# Altium PCB drac_v3.PcbDoc (part 1 of 5) (continued)
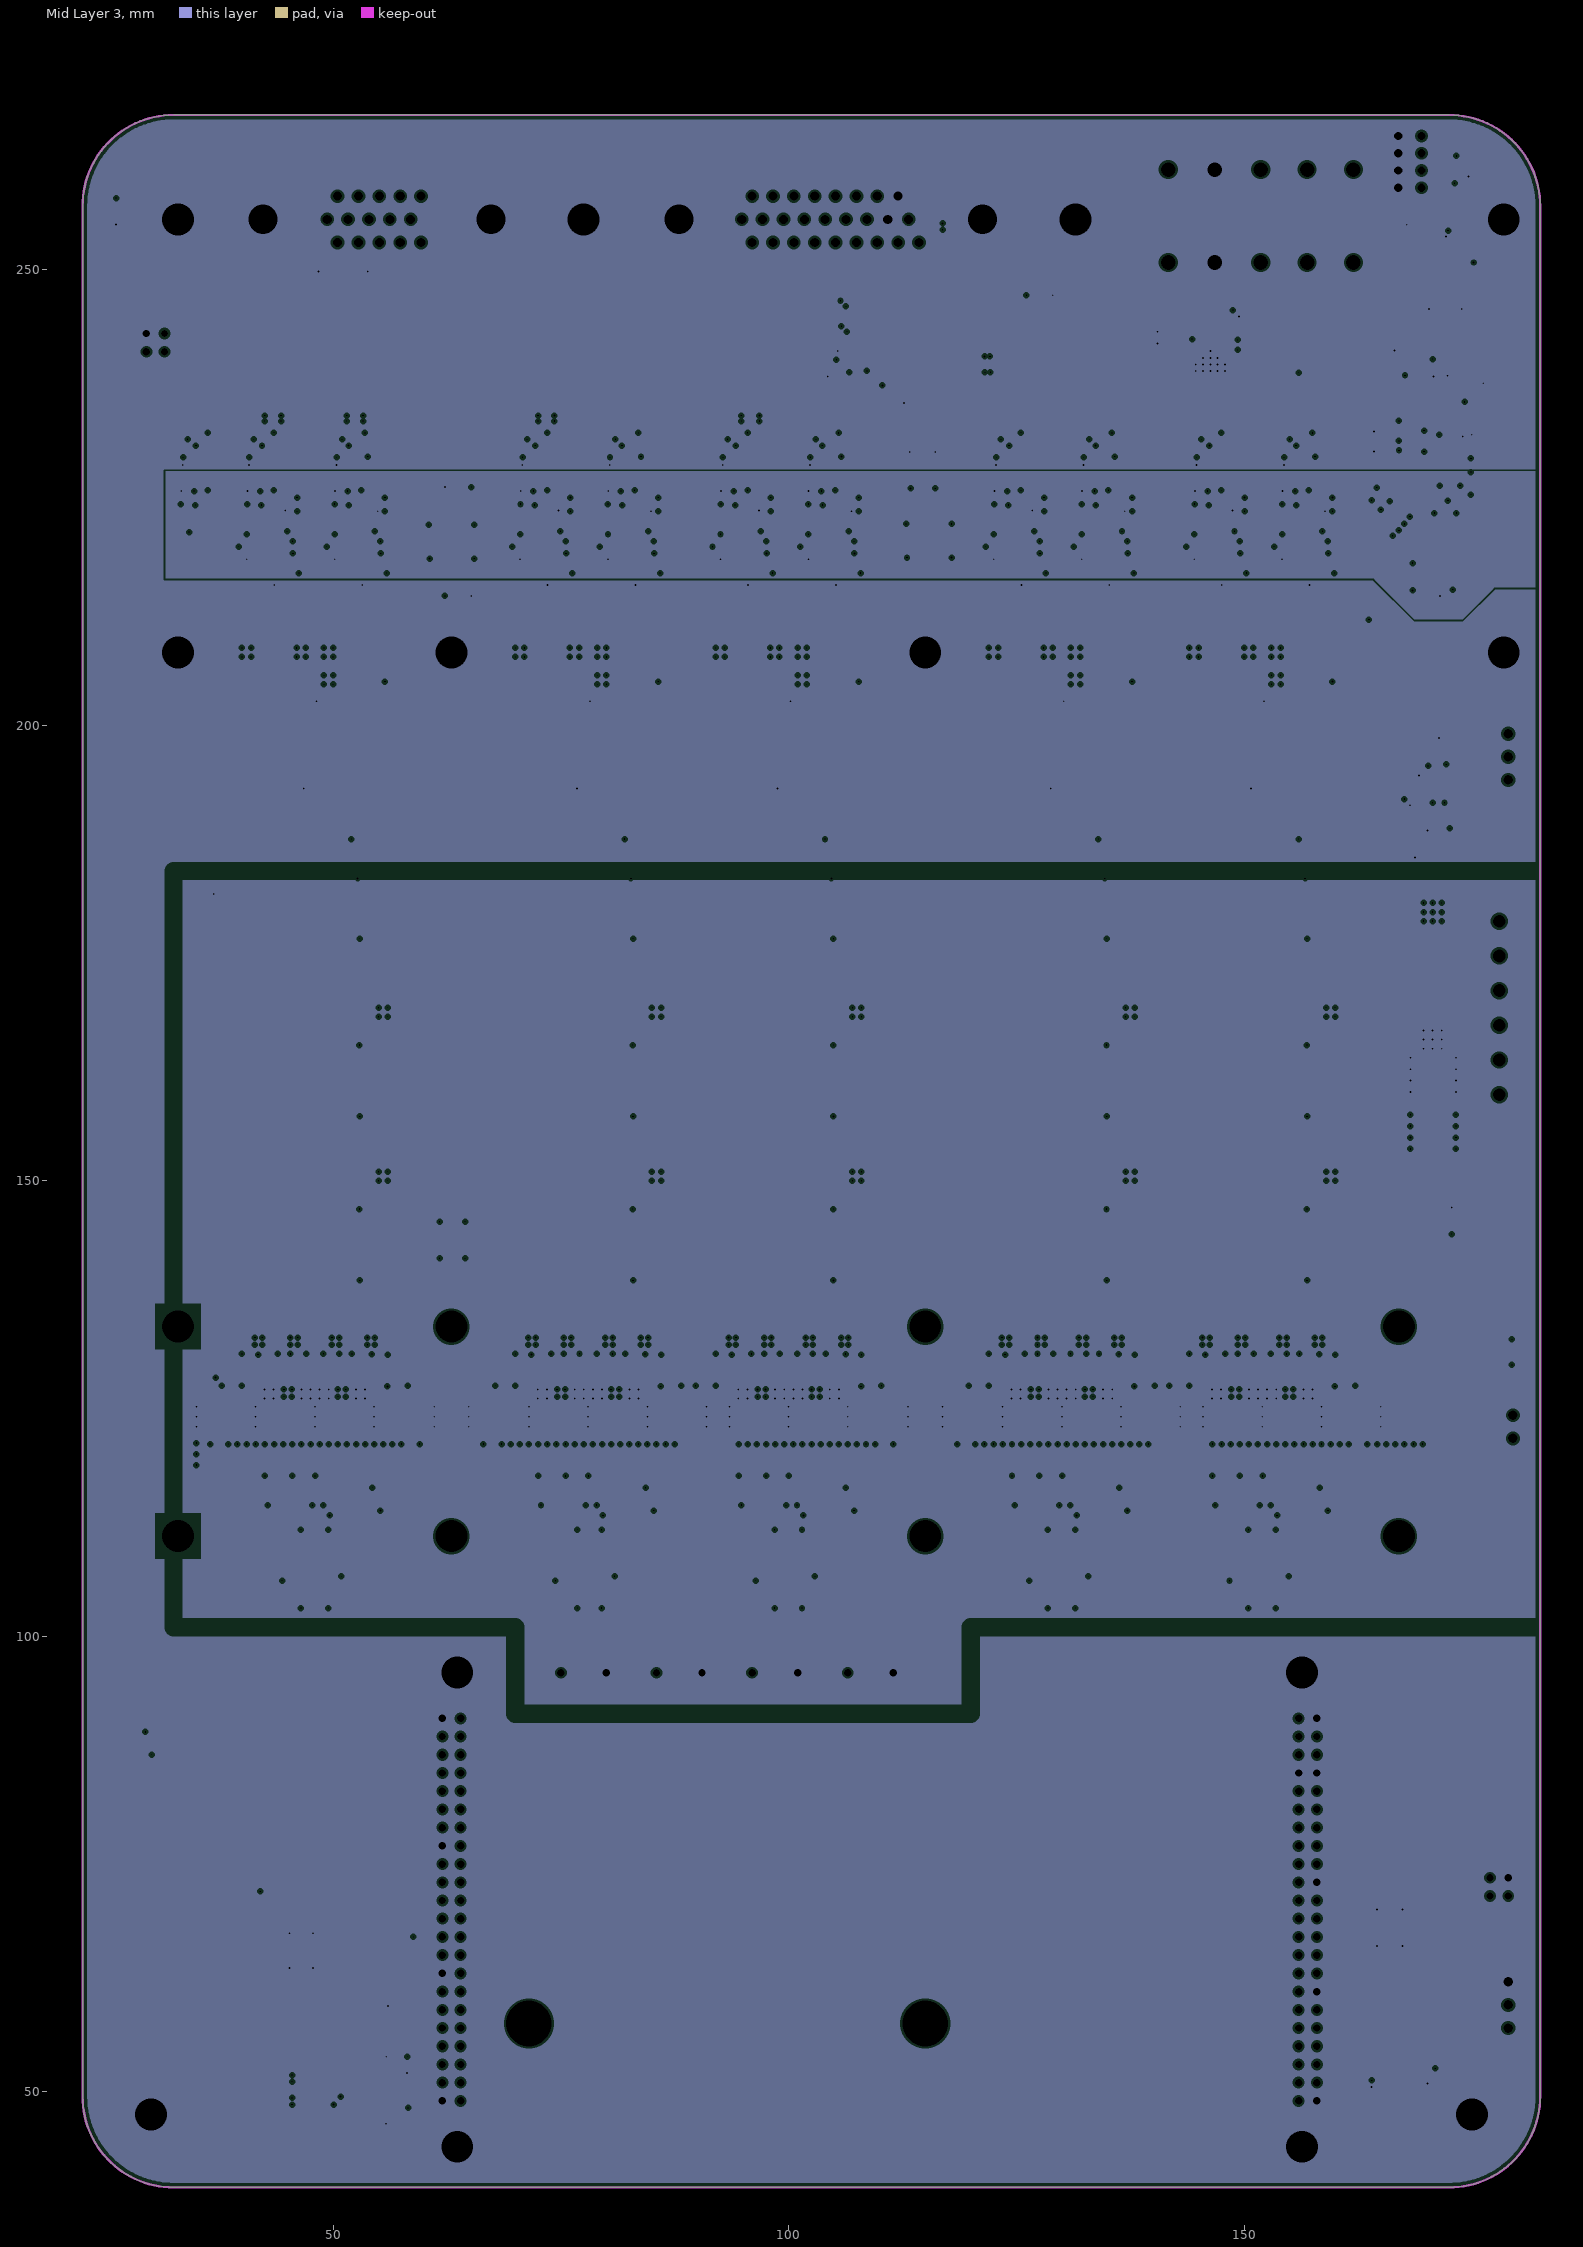
[diagram p4: Mid Layer 3, clearances drawn from the general rule]
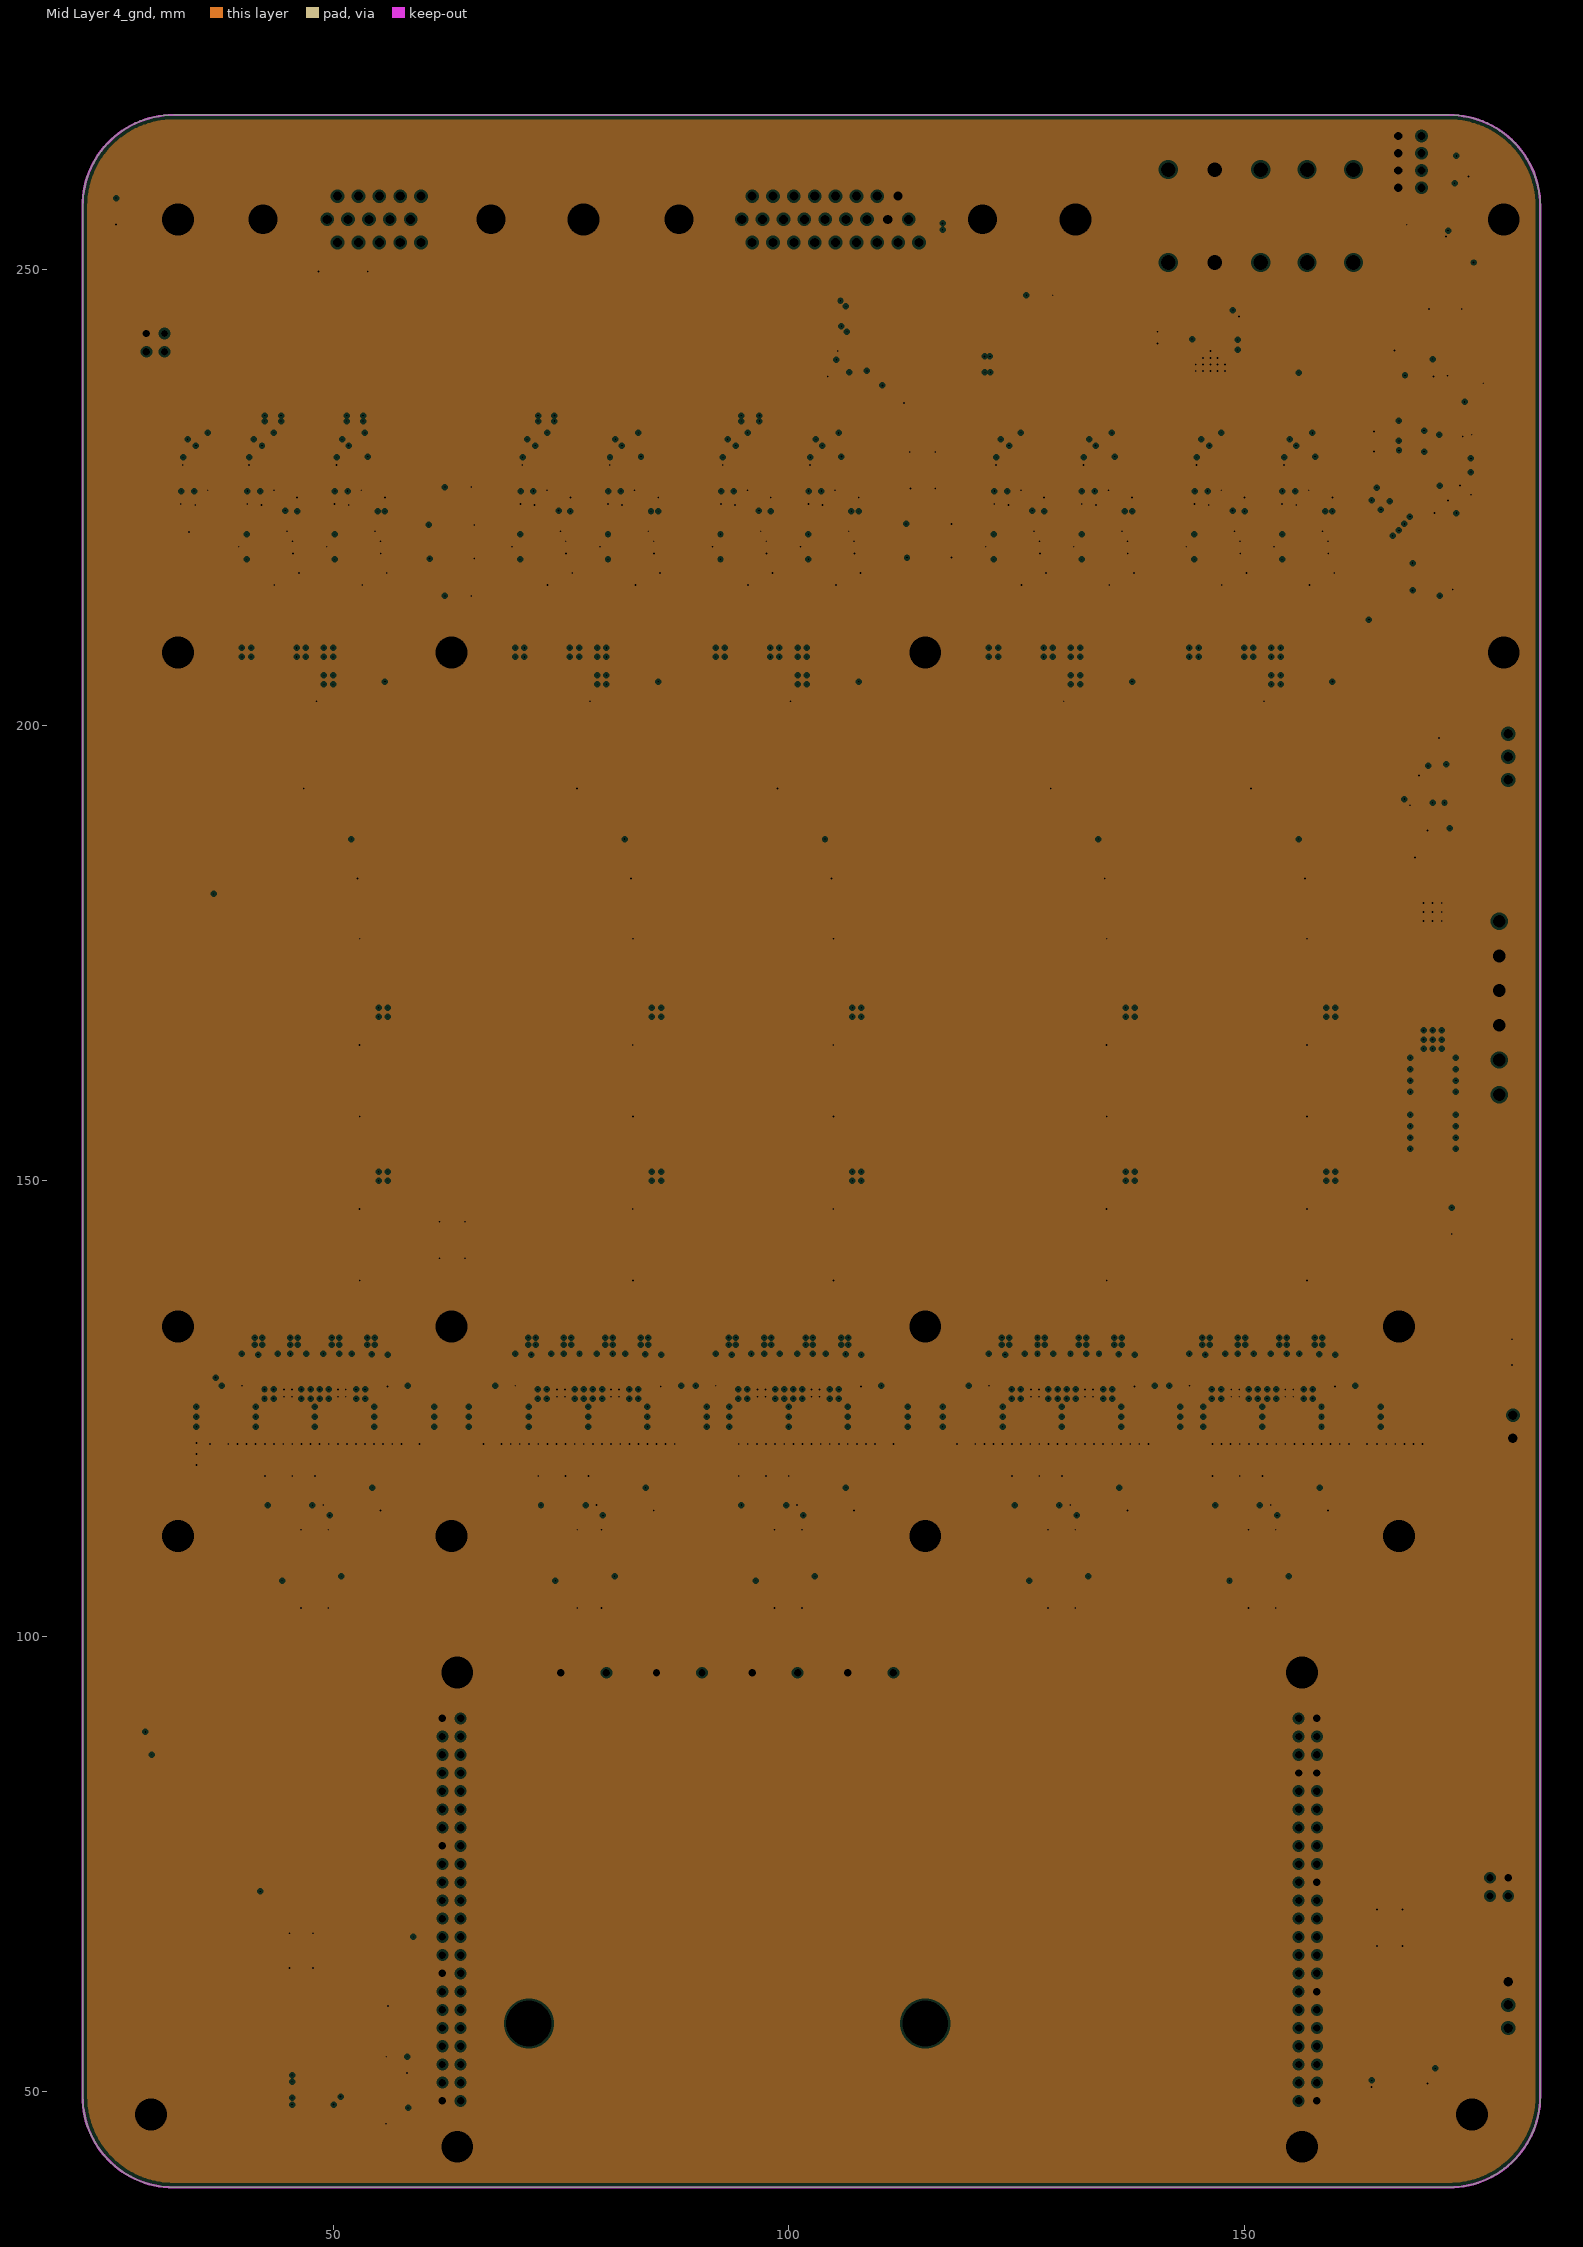
[diagram p5: Mid Layer 4_gnd, clearances drawn from the general rule]

## Layer stack, top to bottom
Top Solder: solder mask 0.0127, Solder Resist, Dk 3.8
Top Layer: signal copper 0.035
Dielectric 1: prepreg 0.1, 2313, Dk 4.05
Mid Layer 1_gnd: plane copper 0.0175, net GND
Dielectric 2: core 0.565, Core, Dk 4.5
Mid Layer 2: signal copper 0.0175
Dielectric 3: prepreg 0.127, 2116, Dk 4.25
Mid Layer 3: plane copper 0.0175, net (Multiple Nets)
Dielectric 4: core 0.565, Core, Dk 4.5
Mid Layer 4_gnd: plane copper 0.0175, net GND
Dielectric 5: prepreg 0.1, 2313, Dk 4.05
Bottom Layer: signal copper 0.035
Bottom Solder: solder mask 0.0127, Solder Resist, Dk 3.8

## Board outline
32.5,39.5 cw(c32.5,49.5) 22.5,49.5 22.5,257 cw(c32.5,257) 32.5,267 172.5,267 cw(c172.5,257) 182.5,257 182.5,49.5 cw(c172.5,49.5) 172.5,39.5

## Design rules (kind name [scope] priority, off if disabled: settings)
BoardOutlineClearance [(InLayerClass('Electrical Layers'))] p1: gap=0.5 ignorepadtopadclearanceinfootprint=FALSE
Clearance Clearance_3 [InComponent('U12')] p1: gap=0.127 ignorepadtopadclearanceinfootprint=TRUE except(0.25: Arc-Hole Track-Hole SMDPad-Hole THPad-Hole Via-Hole Fill-Hole Poly-Hole Region-Hole Text-Hole)
Clearance Clearance_2 [InNetClass('hv')] p2: gap=0.25 ignorepadtopadclearanceinfootprint=TRUE
Clearance Clearance_1 [InPolygon vs OnLayer('Keep-Out Layer')] p3: gap=1 ignorepadtopadclearanceinfootprint=FALSE
Clearance [All] p4: gap=0.152 ignorepadtopadclearanceinfootprint=TRUE except(0.25: Arc-Hole Track-Hole SMDPad-Hole THPad-Hole Via-Hole Fill-Hole Poly-Hole Region-Hole Text-Hole)
ComponentClearance ComponentClearance_1 [HasFootprint('FP-D0008A-IPC_C')] p1: gap=-1000 collisioncheckmode=3 verticalgap=-1000 showdistances=FALSE donotcheckwithout3dbody=TRUE
ComponentClearance [All] p2: gap=0.102 collisioncheckmode=3 verticalgap=0.102 showdistances=TRUE
DiffPairsRouting [All] p1: maxlimit=1 minlimit=0.127 mostfreqgap=0.284 toplayer_mingap=0.284 toplayer_maxgap=0.284 toplayer_minwidth=0.152 toplayer_maxwidth=0.152 toplayer_prefwidth=0.152 bottomlayer_mingap=0.284 bottomlayer_maxgap=0.284 bottomlayer_minwidth=0.152 bottomlayer_maxwidth=0.152 bottomlayer_prefwidth=0.152 impedanceprofiledriven=TRUE impedanceprofileid={256C0901-E34E-48D7-A504-C0C6CC6A8481} impedanceprofilevalue=100.000000 maxuncoupledlength=12.7
Height [All] p1: minheight=0 maxheight=40 prefheight=12.7
HoleSize [All] p1: absolutevalues=TRUE maxlimit=6.3 minlimit=0.2 maxpercent=80.000 minpercent=20.000
HoleToHoleClearance [All] p1: gap=0.25 allowstackedmicrovias=FALSE
MinimumAnnularRing [All] p1: minimumring=0.076
MinimumSolderMaskSliver [All] p1: minsoldermaskwidth=0
PlaneClearance [(ObjectKind = 'Pad') And (AsMM(HoleDiameter) = 3.5)] p1: clearance=2
PlaneClearance PlaneClearance_1 [All] p2: clearance=0.254
PlaneConnect PlaneConnect_1 [HasFootprint('TP_GND')] p1: planeconnectstyle=Direct reliefexpansion=0.508 reliefentries=4 reliefconductorwidth=0.254 reliefairgap=0.254
PlaneConnect PlaneConnectPowerPads [AsMM(Hole) > 3.4] p2: planeconnectstyle=Direct reliefexpansion=0.508 reliefentries=4 reliefconductorwidth=0.254 reliefairgap=0.254
PlaneConnect [All] p3: pad.planeconnectstyle=Relief pad.reliefexpansion=0.305 pad.reliefentries=4 pad.reliefconductorwidth=0.254 pad.reliefairgap=0.254 via.planeconnectstyle=Direct via.reliefexpansion=0.3 via.reliefentries=4 via.reliefconductorwidth=0.127 via.reliefairgap=0.127
PolygonConnect PolygonConnect_2 [HasFootprint('TP_GND')] p1: connectstyle=Direct reliefconductorwidth=0.254 reliefentries=4 polygonreliefangle="90 Angle" airgapwidth=0.254
PolygonConnect PolygonConnect_1 [InComponent('J4') And  Not  InNet('GND')] p2: connectstyle=Direct reliefconductorwidth=0.254 reliefentries=4 polygonreliefangle="90 Angle" airgapwidth=0.254
PolygonConnect PolygonConnectPowerPads [All vs (InPadClass('PowerPads'))] p3 off: connectstyle=Direct reliefconductorwidth=0.254 reliefentries=4 polygonreliefangle="90 Angle" airgapwidth=0.254
PolygonConnect [All] p4: thpad.connectstyle=Relief thpad.reliefconductorwidth=0.254 thpad.reliefentries=4 thpad.polygonreliefangle="90 Angle" thpad.airgapwidth=0.305 smdpad.connectstyle=NoConnect smdpad.reliefconductorwidth=0.102 smdpad.reliefentries=4 smdpad.polygonreliefangle="90 Angle" smdpad.airgapwidth=0.254 via.connectstyle=Direct via.reliefconductorwidth=0.127 via.reliefentries=4 via.polygonreliefangle="90 Angle" via.airgapwidth=0.127
RoomDefinition Ch1 [InComponentClass('Ch1')] p1: confinementstyle=ConfineIn formatcopy=TRUE lockcomponents=FALSE outline 37,101 59,101 59,232.5 37,232.5
RoomDefinition Ch3 [InComponentClass('Ch3')] p2: confinementstyle=ConfineIn formatcopy=TRUE lockcomponents=FALSE outline 89,101 111,101 111,232.5 89,232.5
RoomDefinition Ch2 [InComponentClass('Ch2')] p3: confinementstyle=ConfineIn formatcopy=TRUE lockcomponents=FALSE outline 67,101 89,101 89,232.5 67,232.5
RoomDefinition U_mv_adc [InComponentClass('U_mv_adc')] p4: confinementstyle=ConfineIn formatcopy=TRUE lockcomponents=FALSE outline 37,232.5 29.5,232.5 29.5,220.6 37,220.6
RoomDefinition Ch5 [InComponentClass('Ch5')] p5: confinementstyle=ConfineIn formatcopy=FALSE lockcomponents=FALSE outline 141,101 163,101 163,232.5 141,232.5
RoomDefinition Ch4 [InComponentClass('Ch4')] p6: confinementstyle=ConfineIn formatcopy=FALSE lockcomponents=FALSE outline 119,101 141,101 141,232.5 119,232.5
RoutingVias [All] p1: holewidth=0.203 width=0.457 viastyle="Through Hole" minholewidth=0.2 minwidth=0.45 maxholewidth=6.3 maxwidth=6.55
ShortCircuit ShortCircuit_1 [InComponent('F1')] p1: allowed=TRUE
ShortCircuit [All] p2: allowed=FALSE
SilkToSilkClearance [All] p1: silktosilkclearance=0
SilkToSolderMaskClearance [IsPad] p1 off: minsilkscreentomaskgap=0.102 clearancetoexposedcopper=TRUE
SolderMaskExpansion [All] p1: expansion=0.05 istentingtop=FALSE
Width [All] p1: maxlimit=10 minlimit=0.127 preferedwidth=0.152
19 further rules are at their usual default settings.

## Classes and differential pairs
net class no-copy-routing: /BRAKE1 /BRAKE2 /BRAKE3 /MOTOR1 /MOTOR2 /MOTOR3 /MOTOR4 /MOTOR5 /MOTOR6 /MOTOR7 BRAKE1 BRAKE2 BRAKE3 COIL1_N2 COIL1_N3 COIL1_N4 COIL1_N5 COIL2_N3 COIL2_N4 COIL2_N5
net class hv: /BRAKE1 /BRAKE2 /BRAKE3 /MOTOR1 /MOTOR2 /MOTOR3 /MOTOR4 /MOTOR5 /MOTOR6 /MOTOR7 BRAKE1 BRAKE2 BRAKE3 COIL1_N2 COIL1_N3 COIL1_N4 COIL1_N5 COIL2_N3 COIL2_N4 COIL2_N5 ISENSE+2_Ch1 ISENSE+2_Ch2 ISENSE+2_Ch3 ISENSE+2_Ch4 ISENSE+2_Ch5 ISENSE-1_Ch1 ISENSE-1_Ch2 ISENSE-1_Ch3 ISENSE-1_Ch4 ISENSE-1_Ch5 NetC5_Ch1_2 NetC5_Ch2_2 NetC5_Ch3_2 NetC5_Ch4_2 NetC5_Ch5_2 NetC6_Ch1_2 NetC6_Ch2_2 NetC6_Ch3_2 NetC6_Ch4_2 NetC6_Ch5_2 NetC7_Ch1_2 NetC7_Ch2_2 NetC7_Ch3_2 NetC7_Ch4_2 NetC7_Ch5_2 NetC8_Ch1_2 NetC8_Ch2_2 NetC8_Ch3_2 NetC8_Ch4_2 NetC8_Ch5_2 VM
channel class motor_channel_x2: Ch1 Ch2 Ch3 Ch4 Ch5
component class Ch5: C5_Ch5 C6_Ch5 C7_Ch5 C8_Ch5 C9_Ch5 C10_Ch5 C11_Ch5 C12_Ch5 C13_Ch5 C14_Ch5 C15_Ch5 C16_Ch5 C17_Ch5 C18_Ch5 C19_Ch5 C20_Ch5 C21_Ch5 C22_Ch5 C23_Ch5 C24_Ch5 C25_Ch5 C26_Ch5 C27_Ch5 C28_Ch5 C29_Ch5 C30_Ch5 C31_Ch5 C32_Ch5 C33_Ch5 C34_Ch5 C35_Ch5 C36_Ch5 C37_Ch5 C38_Ch5 C39_Ch5 C40_Ch5 C41_Ch5 C42_Ch5 C43_Ch5 C44_Ch5 D1_Ch5 D2_Ch5 L1_Ch5 L2_Ch5 L3_Ch5 L4_Ch5 R3_Ch5 R4_Ch5 R5_Ch5 R6_Ch5 R7_Ch5 R8_Ch5 R9_Ch5 R10_Ch5 R11_Ch5 R12_Ch5 R13_Ch5 R14_Ch5 R15_Ch5 R16_Ch5 R17_Ch5 R18_Ch5 R19_Ch5 R20_Ch5 R21_Ch5 R22_Ch5 R23_Ch5 U2_Ch5 U3_Ch5 U4_Ch5 U5_Ch5 U6_Ch5 U7_Ch5 U8_Ch5
component class Ch4: C5_Ch4 C6_Ch4 C7_Ch4 C8_Ch4 C9_Ch4 C10_Ch4 C11_Ch4 C12_Ch4 C13_Ch4 C14_Ch4 C15_Ch4 C16_Ch4 C17_Ch4 C18_Ch4 C19_Ch4 C20_Ch4 C21_Ch4 C22_Ch4 C23_Ch4 C24_Ch4 C25_Ch4 C26_Ch4 C27_Ch4 C28_Ch4 C29_Ch4 C30_Ch4 C31_Ch4 C32_Ch4 C33_Ch4 C34_Ch4 C35_Ch4 C36_Ch4 C37_Ch4 C38_Ch4 C39_Ch4 C40_Ch4 C41_Ch4 C42_Ch4 C43_Ch4 C44_Ch4 D1_Ch4 D2_Ch4 L1_Ch4 L2_Ch4 L3_Ch4 L4_Ch4 R3_Ch4 R4_Ch4 R5_Ch4 R6_Ch4 R7_Ch4 R8_Ch4 R9_Ch4 R10_Ch4 R11_Ch4 R12_Ch4 R13_Ch4 R14_Ch4 R15_Ch4 R16_Ch4 R17_Ch4 R18_Ch4 R19_Ch4 R20_Ch4 R21_Ch4 R22_Ch4 R23_Ch4 U2_Ch4 U3_Ch4 U4_Ch4 U5_Ch4 U6_Ch4 U7_Ch4 U8_Ch4
component class Ch3: C5_Ch3 C6_Ch3 C7_Ch3 C8_Ch3 C9_Ch3 C10_Ch3 C11_Ch3 C12_Ch3 C13_Ch3 C14_Ch3 C15_Ch3 C16_Ch3 C17_Ch3 C18_Ch3 C19_Ch3 C20_Ch3 C21_Ch3 C22_Ch3 C23_Ch3 C24_Ch3 C25_Ch3 C26_Ch3 C27_Ch3 C28_Ch3 C29_Ch3 C30_Ch3 C31_Ch3 C32_Ch3 C33_Ch3 C34_Ch3 C35_Ch3 C36_Ch3 C37_Ch3 C38_Ch3 C39_Ch3 C40_Ch3 C41_Ch3 C42_Ch3 C43_Ch3 C44_Ch3 D1_Ch3 D2_Ch3 L1_Ch3 L2_Ch3 L3_Ch3 L4_Ch3 R3_Ch3 R4_Ch3 R5_Ch3 R6_Ch3 R7_Ch3 R8_Ch3 R9_Ch3 R10_Ch3 R11_Ch3 R12_Ch3 R13_Ch3 R14_Ch3 R15_Ch3 R16_Ch3 R17_Ch3 R18_Ch3 R19_Ch3 R20_Ch3 R21_Ch3 R22_Ch3 R23_Ch3 U2_Ch3 U3_Ch3 U4_Ch3 U5_Ch3 U6_Ch3 U7_Ch3 U8_Ch3
component class Ch2: C5_Ch2 C6_Ch2 C7_Ch2 C8_Ch2 C9_Ch2 C10_Ch2 C11_Ch2 C12_Ch2 C13_Ch2 C14_Ch2 C15_Ch2 C16_Ch2 C17_Ch2 C18_Ch2 C19_Ch2 C20_Ch2 C21_Ch2 C22_Ch2 C23_Ch2 C24_Ch2 C25_Ch2 C26_Ch2 C27_Ch2 C28_Ch2 C29_Ch2 C30_Ch2 C31_Ch2 C32_Ch2 C33_Ch2 C34_Ch2 C35_Ch2 C36_Ch2 C37_Ch2 C38_Ch2 C39_Ch2 C40_Ch2 C41_Ch2 C42_Ch2 C43_Ch2 C44_Ch2 D1_Ch2 D2_Ch2 L1_Ch2 L2_Ch2 L3_Ch2 L4_Ch2 R3_Ch2 R4_Ch2 R5_Ch2 R6_Ch2 R7_Ch2 R8_Ch2 R9_Ch2 R10_Ch2 R11_Ch2 R12_Ch2 R13_Ch2 R14_Ch2 R15_Ch2 R16_Ch2 R17_Ch2 R18_Ch2 R19_Ch2 R20_Ch2 R21_Ch2 R22_Ch2 R23_Ch2 U2_Ch2 U3_Ch2 U4_Ch2 U5_Ch2 U6_Ch2 U7_Ch2 U8_Ch2
component class Ch1: C5_Ch1 C6_Ch1 C7_Ch1 C8_Ch1 C9_Ch1 C10_Ch1 C11_Ch1 C12_Ch1 C13_Ch1 C14_Ch1 C15_Ch1 C16_Ch1 C17_Ch1 C18_Ch1 C19_Ch1 C20_Ch1 C21_Ch1 C22_Ch1 C23_Ch1 C24_Ch1 C25_Ch1 C26_Ch1 C27_Ch1 C28_Ch1 C29_Ch1 C30_Ch1 C31_Ch1 C32_Ch1 C33_Ch1 C34_Ch1 C35_Ch1 C36_Ch1 C37_Ch1 C38_Ch1 C39_Ch1 C40_Ch1 C41_Ch1 C42_Ch1 C43_Ch1 C44_Ch1 D1_Ch1 D2_Ch1 L1_Ch1 L2_Ch1 L3_Ch1 L4_Ch1 R3_Ch1 R4_Ch1 R5_Ch1 R6_Ch1 R7_Ch1 R8_Ch1 R9_Ch1 R10_Ch1 R11_Ch1 R12_Ch1 R13_Ch1 R14_Ch1 R15_Ch1 R16_Ch1 R17_Ch1 R18_Ch1 R19_Ch1 R20_Ch1 R21_Ch1 R22_Ch1 R23_Ch1 U2_Ch1 U3_Ch1 U4_Ch1 U5_Ch1 U6_Ch1 U7_Ch1 U8_Ch1
net class 100ohm: RCLK_N RCLK_P RDAT_N RDAT_P TCLK_N TCLK_P TDAT_N TDAT_P
component class U_relay: D4 D5 D6 D7 D8 K1 P1 P2 Q1 Q2 Q3 Q4 R30 R31 R32 R33 R34 R35 R36 R37 R38 R45 R46 R47
component class U_power_supply: C47 C48 C49 C50 C51 C52 C53 C54 C55 C56 C57 C58 C59 C60 C61 C62 C63 C64 C65 C66 C67 C68 C69 C70 C71 C72 C73 C74 C75 C76 C77 C78 D3 D12 F1 F2 FB1 J2 J3 L9 R24 R25 R26 R27 R28 R29 TP1 TP2 TP3 TP4 TP5 TP6 TP7 TP8 TP9 TP10 U11 U12 U13 U14
component class U_mv_adc: C1 C2 C3 C4 R1 R2 U1
component class U_lvds_transceiver: C45 C46 D9 D10 D11 J1 L5 L6 L7 L8 P5 U9 U10
component class top: C80 FD1 FD2 FD3 FD4 FD5 FD6 FPGA1 J4 P3 P6 R39 R40 R41 R42 R43 R44 U15
differential pair TDAT: +TDAT_P -TDAT_N
differential pair TCLK: +TCLK_P -TCLK_N
differential pair RDAT: +RDAT_P -RDAT_N
differential pair RCLK: +RCLK_P -RCLK_N

## Components (designator, comment, footprint, x,y, rotation, side; value= is the part's Value field where it differs from the comment)
C1 "0.1µF" FP-GRM155-0_05-IPC_B 32.837,229 r270 top
C2 "0.1µF" FP-GRM155-0_05-IPC_B 34.237,224.6 r270 top
C3 "0.1µF" FP-GRM155-0_05-IPC_B 35.6,224.6 r270 top
C4 "CL21B106KQQNNNG" FP-CL21-IPC_C 32.207,225 r270 top
C5_Ch1 "0.1µF" FP-GRM188-0_1-E0_2_0_55-IPC_B 53.5,130.148 r180 top (schematic designator C5)
C5_Ch2 "0.1µF" FP-GRM188-0_1-E0_2_0_55-IPC_B 83.5,130.148 r180 top (schematic designator C5)
C5_Ch3 "0.1µF" FP-GRM188-0_1-E0_2_0_55-IPC_B 105.5,130.148 r180 top (schematic designator C5)
C5_Ch4 "0.1µF" FP-GRM188-0_1-E0_2_0_55-IPC_B 135.5,130.148 r180 top (schematic designator C5)
C5_Ch5 "0.1µF" FP-GRM188-0_1-E0_2_0_55-IPC_B 157.5,130.148 r180 top (schematic designator C5)
C6_Ch1 "0.1µF" FP-GRM188-0_1-E0_2_0_55-IPC_B 50,130.148 r0 top (schematic designator C6)
C6_Ch2 "0.1µF" FP-GRM188-0_1-E0_2_0_55-IPC_B 80,130.148 r0 top (schematic designator C6)
C6_Ch3 "0.1µF" FP-GRM188-0_1-E0_2_0_55-IPC_B 102,130.148 r0 top (schematic designator C6)
C6_Ch4 "0.1µF" FP-GRM188-0_1-E0_2_0_55-IPC_B 132,130.148 r0 top (schematic designator C6)
C6_Ch5 "0.1µF" FP-GRM188-0_1-E0_2_0_55-IPC_B 154,130.148 r0 top (schematic designator C6)
C7_Ch1 "0.1µF" FP-GRM188-0_1-E0_2_0_55-IPC_B 46,130.148 r180 top (schematic designator C7)
C7_Ch2 "0.1µF" FP-GRM188-0_1-E0_2_0_55-IPC_B 76,130.148 r180 top (schematic designator C7)
C7_Ch3 "0.1µF" FP-GRM188-0_1-E0_2_0_55-IPC_B 98,130.148 r180 top (schematic designator C7)
C7_Ch4 "0.1µF" FP-GRM188-0_1-E0_2_0_55-IPC_B 128,130.148 r180 top (schematic designator C7)
C7_Ch5 "0.1µF" FP-GRM188-0_1-E0_2_0_55-IPC_B 150,130.148 r180 top (schematic designator C7)
C8_Ch1 "0.1µF" FP-GRM188-0_1-E0_2_0_55-IPC_B 42.5,130.148 r0 top (schematic designator C8)
C8_Ch2 "0.1µF" FP-GRM188-0_1-E0_2_0_55-IPC_B 72.5,130.148 r0 top (schematic designator C8)
C8_Ch3 "0.1µF" FP-GRM188-0_1-E0_2_0_55-IPC_B 94.5,130.148 r0 top (schematic designator C8)
C8_Ch4 "0.1µF" FP-GRM188-0_1-E0_2_0_55-IPC_B 124.5,130.148 r0 top (schematic designator C8)
C8_Ch5 "0.1µF" FP-GRM188-0_1-E0_2_0_55-IPC_B 146.5,130.148 r0 top (schematic designator C8)
C9_Ch1 "12061C225KAT2A" CAPC3216X180X50NL20T25 51.5,199.5 r270 bottom (schematic designator C9)
C9_Ch2 "12061C225KAT2A" CAPC3216X180X50NL20T25 81.5,199.5 r270 bottom (schematic designator C9)
C9_Ch3 "12061C225KAT2A" CAPC3216X180X50NL20T25 103.5,199.5 r270 bottom (schematic designator C9)
C9_Ch4 "12061C225KAT2A" CAPC3216X180X50NL20T25 133.5,199.5 r270 bottom (schematic designator C9)
C9_Ch5 "12061C225KAT2A" CAPC3216X180X50NL20T25 155.5,199.5 r270 bottom (schematic designator C9)
C10_Ch1 "12061C225KAT2A" CAPC3216X180X50NL20T25 51.5,183 r270 bottom (schematic designator C10)
C10_Ch2 "12061C225KAT2A" CAPC3216X180X50NL20T25 81.5,183 r270 bottom (schematic designator C10)
C10_Ch3 "12061C225KAT2A" CAPC3216X180X50NL20T25 103.5,183 r270 bottom (schematic designator C10)
C10_Ch4 "12061C225KAT2A" CAPC3216X180X50NL20T25 133.5,183 r270 bottom (schematic designator C10)
C10_Ch5 "12061C225KAT2A" CAPC3216X180X50NL20T25 155.5,183 r270 bottom (schematic designator C10)
C11_Ch1 "12061C225KAT2A" CAPC3216X180X50NL20T25 51.5,163.5 r270 bottom (schematic designator C11)
C11_Ch2 "12061C225KAT2A" CAPC3216X180X50NL20T25 81.5,163.5 r270 bottom (schematic designator C11)
C11_Ch3 "12061C225KAT2A" CAPC3216X180X50NL20T25 103.5,163.5 r270 bottom (schematic designator C11)
C11_Ch4 "12061C225KAT2A" CAPC3216X180X50NL20T25 133.5,163.5 r270 bottom (schematic designator C11)
C11_Ch5 "12061C225KAT2A" CAPC3216X180X50NL20T25 155.5,163.5 r270 bottom (schematic designator C11)
C12_Ch1 "12061C225KAT2A" CAPC3216X180X50NL20T25 51.5,145.5 r270 bottom (schematic designator C12)
C12_Ch2 "12061C225KAT2A" CAPC3216X180X50NL20T25 81.5,145.5 r270 bottom (schematic designator C12)
C12_Ch3 "12061C225KAT2A" CAPC3216X180X50NL20T25 103.5,145.5 r270 bottom (schematic designator C12)
C12_Ch4 "12061C225KAT2A" CAPC3216X180X50NL20T25 133.5,145.5 r270 bottom (schematic designator C12)
C12_Ch5 "12061C225KAT2A" CAPC3216X180X50NL20T25 155.5,145.5 r270 bottom (schematic designator C12)
C13_Ch1 "12061C105KAT2A" CAPC3216X180X50NL20T25 48.5,199.5 r270 bottom (schematic designator C13)
C13_Ch2 "12061C105KAT2A" CAPC3216X180X50NL20T25 78.5,199.5 r270 bottom (schematic designator C13)
C13_Ch3 "12061C105KAT2A" CAPC3216X180X50NL20T25 100.5,199.5 r270 bottom (schematic designator C13)
C13_Ch4 "12061C105KAT2A" CAPC3216X180X50NL20T25 130.5,199.5 r270 bottom (schematic designator C13)
C13_Ch5 "12061C105KAT2A" CAPC3216X180X50NL20T25 152.5,199.5 r270 bottom (schematic designator C13)
C14_Ch1 "12061C105KAT2A" CAPC3216X180X50NL20T25 48.5,183 r270 bottom (schematic designator C14)
C14_Ch2 "12061C105KAT2A" CAPC3216X180X50NL20T25 78.5,183 r270 bottom (schematic designator C14)
C14_Ch3 "12061C105KAT2A" CAPC3216X180X50NL20T25 100.5,183 r270 bottom (schematic designator C14)
C14_Ch4 "12061C105KAT2A" CAPC3216X180X50NL20T25 130.5,183 r270 bottom (schematic designator C14)
C14_Ch5 "12061C105KAT2A" CAPC3216X180X50NL20T25 152.5,183 r270 bottom (schematic designator C14)
C15_Ch1 "12061C105KAT2A" CAPC3216X180X50NL20T25 48.5,163.5 r270 bottom (schematic designator C15)
C15_Ch2 "12061C105KAT2A" CAPC3216X180X50NL20T25 78.5,163.5 r270 bottom (schematic designator C15)
C15_Ch3 "12061C105KAT2A" CAPC3216X180X50NL20T25 100.5,163.5 r270 bottom (schematic designator C15)
C15_Ch4 "12061C105KAT2A" CAPC3216X180X50NL20T25 130.5,163.5 r270 bottom (schematic designator C15)
C15_Ch5 "12061C105KAT2A" CAPC3216X180X50NL20T25 152.5,163.5 r270 bottom (schematic designator C15)
C16_Ch1 "12061C105KAT2A" CAPC3216X180X50NL20T25 48.5,145.5 r270 bottom (schematic designator C16)
C16_Ch2 "12061C105KAT2A" CAPC3216X180X50NL20T25 78.5,145.5 r270 bottom (schematic designator C16)
C16_Ch3 "12061C105KAT2A" CAPC3216X180X50NL20T25 100.5,145.5 r270 bottom (schematic designator C16)
C16_Ch4 "12061C105KAT2A" CAPC3216X180X50NL20T25 130.5,145.5 r270 bottom (schematic designator C16)
C16_Ch5 "12061C105KAT2A" CAPC3216X180X50NL20T25 152.5,145.5 r270 bottom (schematic designator C16)
C17_Ch1 "0.1µF" FP-GRM155-0_05-IPC_B 48,116.148 r90 top (schematic designator C17)
C17_Ch2 "0.1µF" FP-GRM155-0_05-IPC_B 78,116.148 r90 top (schematic designator C17)
C17_Ch3 "0.1µF" FP-GRM155-0_05-IPC_B 100,116.148 r90 top (schematic designator C17)
C17_Ch4 "0.1µF" FP-GRM155-0_05-IPC_B 130,116.148 r90 top (schematic designator C17)
C17_Ch5 "0.1µF" FP-GRM155-0_05-IPC_B 152,116.148 r90 top (schematic designator C17)
C18_Ch1 "0.1µF" FP-GRM155-0_05-IPC_B 56.3,224.6 r90 top (schematic designator C18)
C18_Ch2 "0.1µF" FP-GRM155-0_05-IPC_B 86.3,224.6 r90 top (schematic designator C18)
C18_Ch3 "0.1µF" FP-GRM155-0_05-IPC_B 108.3,224.6 r90 top (schematic designator C18)
C18_Ch4 "0.1µF" FP-GRM155-0_05-IPC_B 138.3,224.6 r90 top (schematic designator C18)
C18_Ch5 "0.1µF" FP-GRM155-0_05-IPC_B 160.3,224.6 r90 top (schematic designator C18)
C19_Ch1 "0.1µF" FP-GRM155-0_05-IPC_B 49.7,229 r270 top (schematic designator C19)